# Altium PCB FPGA_Module.PcbDoc (part 5 of 6) (continued)
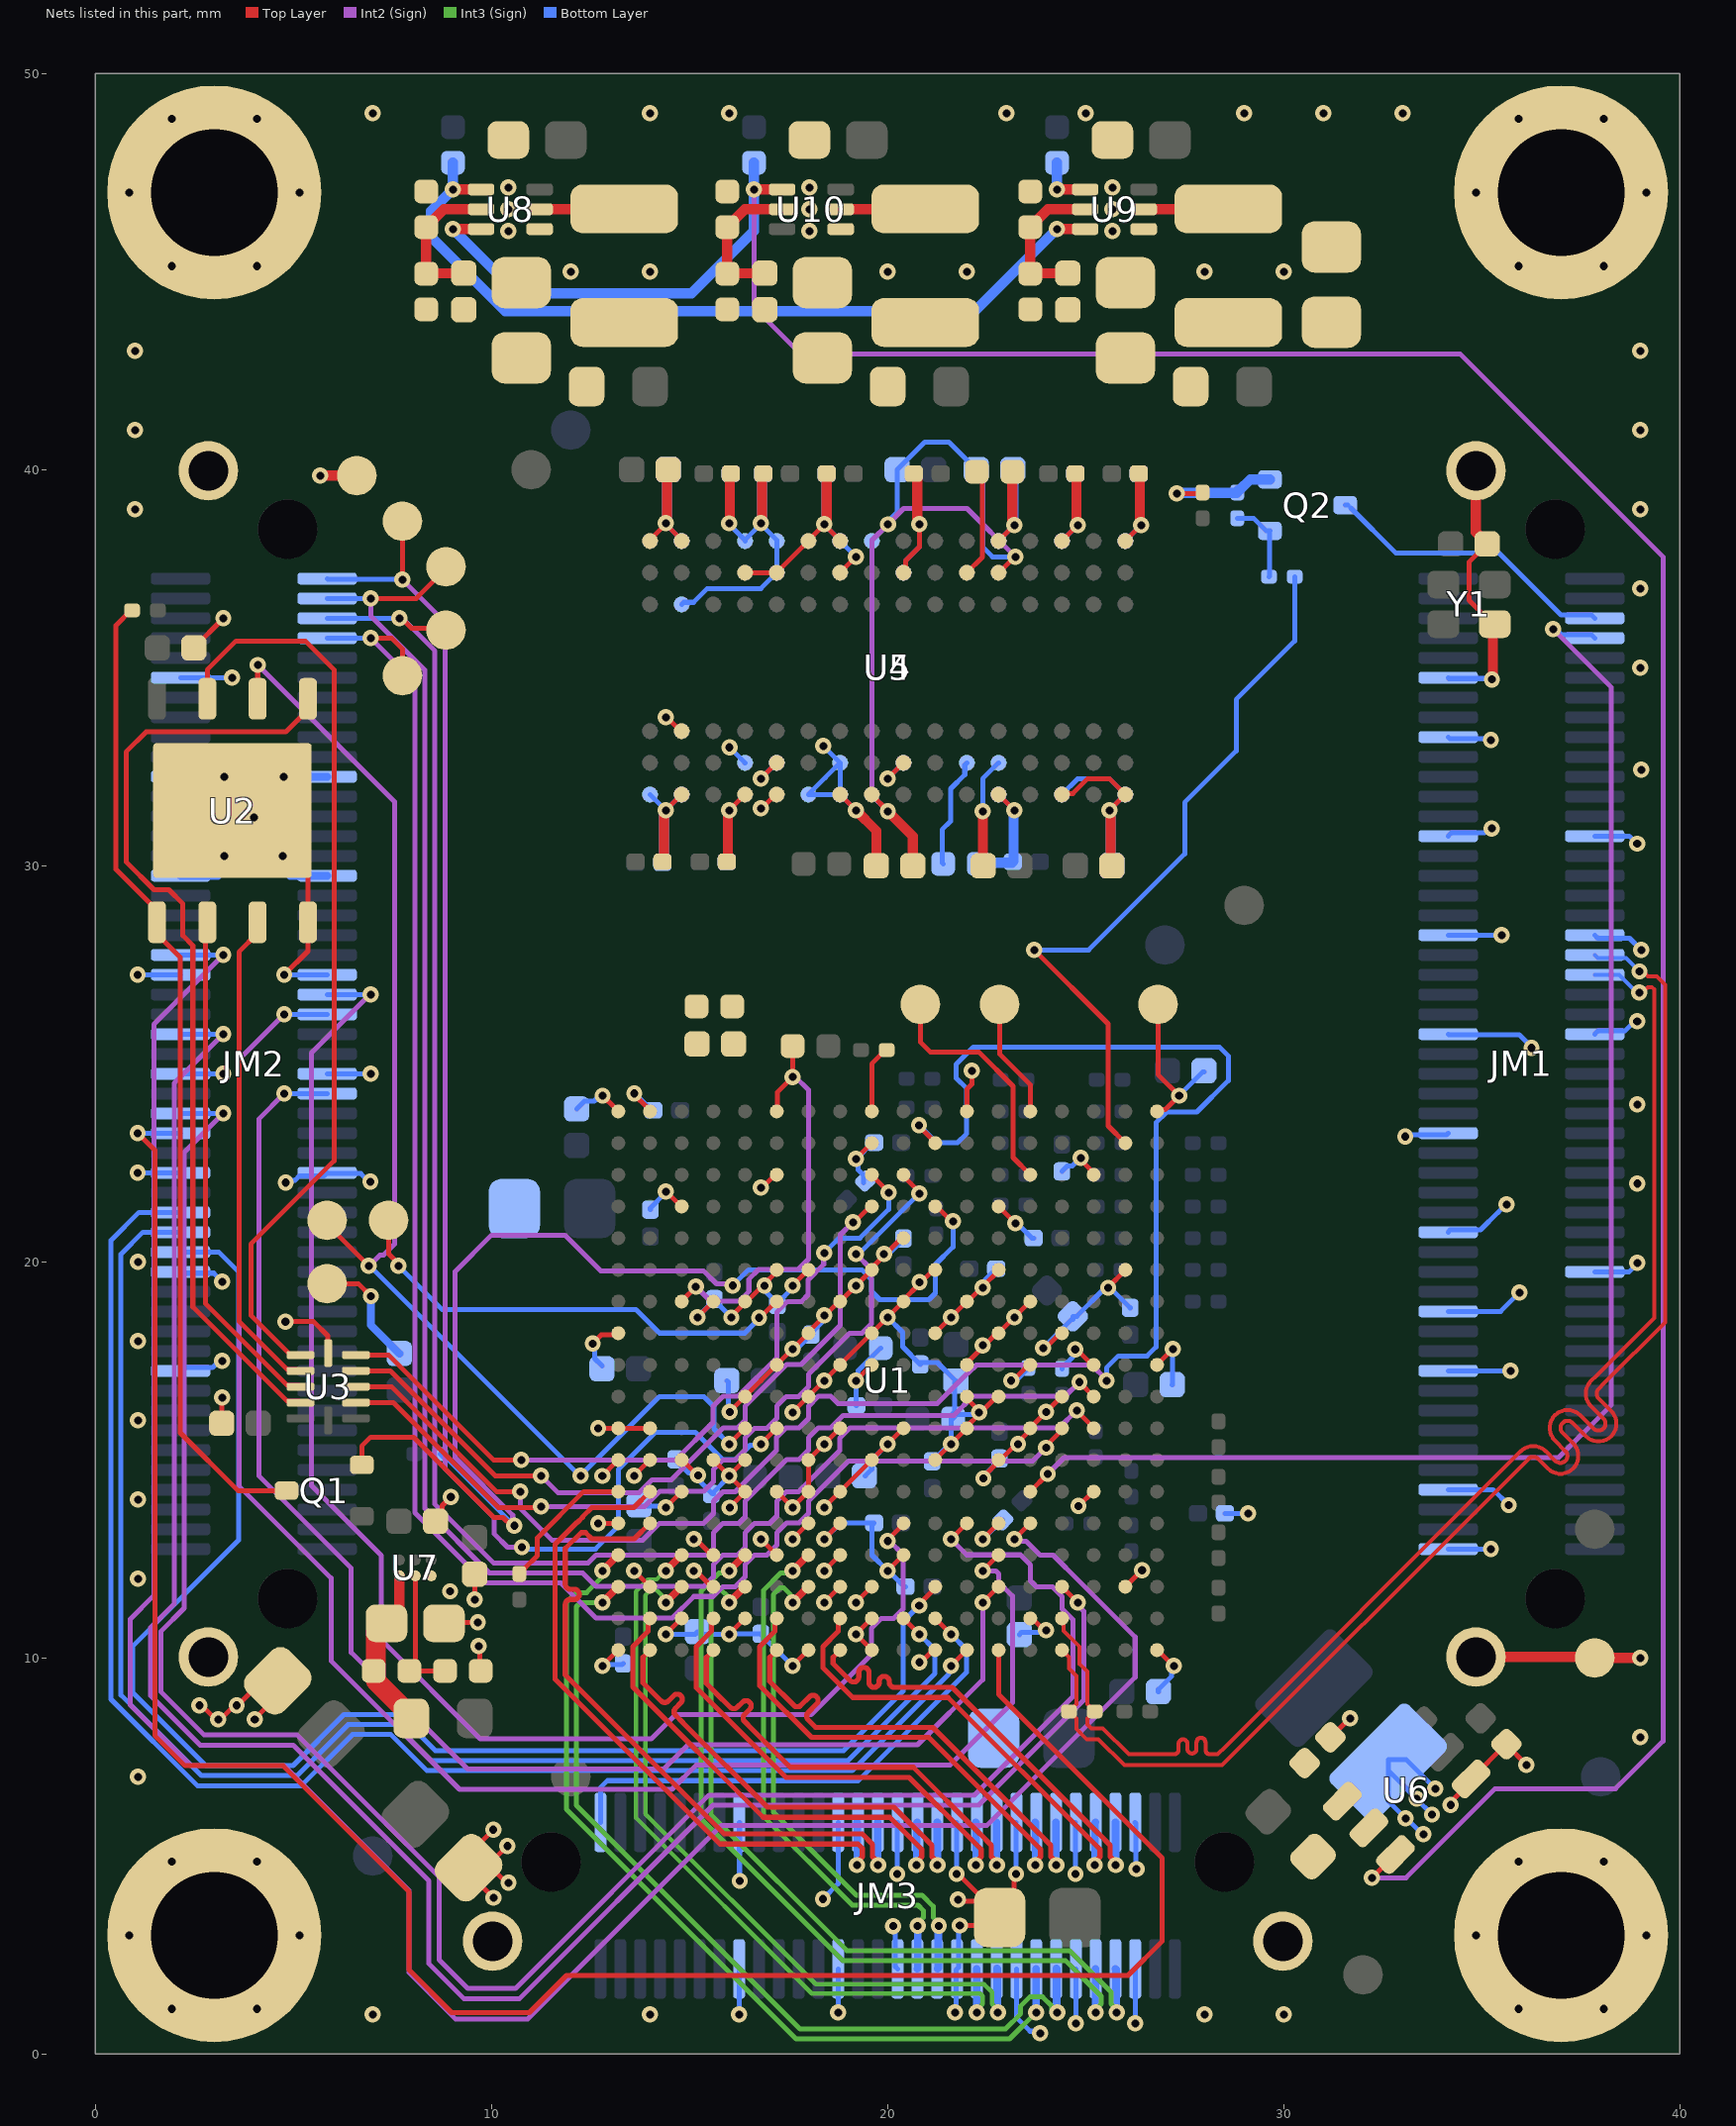
[diagram p9: the nets of this part, all layers, seen from the top]
## Nets (pads, with @x,y where several pads share a name; then routed paths per layer and width w, separated by ;. In a path a pad name is that pad's centre, name@x,y a point inside that pad or via, vN(x,y) a via of type N, cw(c..) or ccw(c..) an arc to the next point about the centre after c; other vN are vias at no path point) (continued)
  Bottom Layer w0.191: v1(19.225,4.77) 19.238,4.782 19.238,5.837 JM3.33@19.225,5.85
MGT_RX0_N: JM3.8 U1.E3 | length 20.5
  Top Layer w0.191: v1(16,11.4) U1.E3@16.4,11.8
  Int3 (Sign) w0.124: v1@16.007,11.407 15.946,11.469 15.946,11.569 15.786,11.728 15.683,11.728 15.543,11.588 15.543,6.04 18.97,2.613 24.592,2.613 25.642,1.563 25.642,1.264 25.783,1.123 v1(25.783,1.05)
  Bottom Layer w0.191: JM3.8@25.75,2.15 25.767,2.133 25.767,1.067 v1(25.783,1.05)
MGT_RX0_P: JM3.10 U1.E4 | length 20.8
  Top Layer w0.191: v1(16,12.2) U1.E4@16.4,12.6
  Int3 (Sign) w0.124: v1(16,12.2) 15.946,12.146 15.746,12.146 15.292,11.692 15.292,5.936 18.866,2.362 24.488,2.362 25.391,1.459 25.391,1.264 25.25,1.123 v1(25.25,1.05)
  Bottom Layer w0.191: v1(25.25,1.05) JM3.10@25.25,2.15
MGT_RX1_N: JM3.14 U1.A3 | length 22.6
  Top Layer w0.191: v1(12.8,11.4) U1.A3@13.2,11.8
  Int3 (Sign) w0.124: v1(12.8,11.4) 12.245,11.4 12.141,11.296 12.141,6.28 17.789,0.632 22.975,0.632 23.358,1.015 23.358,1.212 23.588,1.442 23.912,1.442 24.142,1.212 24.142,1.05 v1(24.283,1.05)
  Bottom Layer w0.191: JM3.14@24.258,2.158 24.267,2.15 24.267,1.067 v1(24.283,1.05)
MGT_RX1_P: JM3.16 U1.A4 | length 22.8
  Top Layer w0.191: v1(12.8,12.2) U1.A4@13.2,12.6
  Int3 (Sign) w0.124: v1(12.8,12.2) 12.8,12.05 12.401,11.651 12.141,11.651 11.89,11.4 11.89,6.176 17.686,0.381 23.079,0.381 v1@23.747,1.05
  Bottom Layer w0.191: v1(23.75,1.05) JM3.16@23.75,2.15
MGT_RX2_N: JM3.20 U1.C3 | length 19.2
  Top Layer w0.191: v1(14.4,11.4) U1.C3@14.8,11.8
  Int3 (Sign) w0.11: v1(14.4,11.4) 14.4,11.48 14.136,11.745 14.045,11.745 13.881,11.581 13.881,6.067 18.184,1.764 22.432,1.764 22.635,1.561 22.635,1.263 22.783,1.114 v1(22.783,1.05)
  Bottom Layer w0.191: JM3.20@22.758,2.158 22.767,2.15 22.767,1.067 v1(22.783,1.05)
MGT_RX2_P: JM3.22 U1.C4 | length 19.4
  Top Layer w0.191: v1(14.4,12.2) U1.C4@14.8,12.6
  Int3 (Sign) w0.11: v1(14.4,12.2) 14.387,12.2 14.169,11.982 13.947,11.982 13.644,11.679 13.644,5.969 18.086,1.528 22.334,1.528 22.398,1.463 22.398,1.263 22.25,1.114 v1(22.25,1.05)
  Bottom Layer w0.191: v1(22.25,1.05) JM3.22@22.25,2.15
MGT_RX3_N: JM3.26 U1.G3 | length 13.5
  Top Layer w0.191: v1(17.6,11.4) U1.G3@18,11.8
  Int3 (Sign) w0.124: v1(17.6,11.4) 17.546,11.454 17.546,11.604 17.382,11.768 17.279,11.768 17.113,11.602 17.113,6.109 19.214,4.008 20.872,4.008 21.15,3.73 21.15,3.451 21.291,3.31 v1(21.291,3.237)
  Bottom Layer w0.191: JM3.26@21.258,2.158 21.279,2.179 21.279,3.221 v1@21.308,3.25
MGT_RX3_P: JM3.28 U1.G4 | length 13.8
  Top Layer w0.191: v1(17.6,12.2) U1.G4@18,12.6
  Int3 (Sign) w0.124: v1(17.6,12.2) 17.546,12.146 17.302,12.146 16.862,11.706 16.862,6.005 19.11,3.757 20.768,3.757 20.899,3.626 20.899,3.451 20.758,3.31 v1(20.758,3.237)
  Bottom Layer w0.191: JM3.28@20.75,2.15 20.763,2.162 20.763,3.238 v1@20.775,3.25
MGT_TX0_N: JM3.7 U1.H1 | length 11.9
  Top Layer w0.13: U1.H1@18.8,10.2 18.8,10.19 18.624,10.014 18.624,9.857 18.947,9.535 19.05,9.432 ccw(c19.142,9.524) 19.272,9.524 19.272,9.633 cw(c19.4,9.633) 19.4,9.761 cw(c19.4,9.633) 19.529,9.633 19.529,9.386 ccw(c19.657,9.386) 19.657,9.258 ccw(c19.657,9.386) 19.786,9.386 19.786,9.408 cw(c19.914,9.408) 19.914,9.536 cw(c19.914,9.408) 20.043,9.408 20.043,9.388 ccw(c20.173,9.388) 20.173,9.258 20.899,9.258 21.631,9.258 25.332,5.557 25.335,5.557 25.62,5.271 25.62,4.983 25.758,4.845 v1(25.758,4.77)
  Bottom Layer w0.191: JM3.7@25.75,5.85 25.754,5.846 25.754,4.774 v1(25.758,4.77)
MGT_TX0_P: JM3.9 U1.H2 | length 11.9
  Top Layer w0.13: U1.H2@18.8,11 18.758,10.958 18.758,10.677 18.367,10.286 18.367,9.751 19.117,9.001 21.525,9.001 25.226,5.3 25.229,5.3 25.363,5.165 25.363,4.983 25.225,4.845 v1(25.225,4.77)
  Bottom Layer w0.191: v1(25.225,4.77) 25.237,4.782 25.237,5.837 JM3.9@25.25,5.85
MGT_TX1_N: JM3.13 U1.F1 | length 12.2
  Top Layer w0.13: U1.F1@17.2,10.2 17.2,10.19 17.024,10.014 17.024,9.745 17.024,9.407 17.626,8.805 ccw(c17.718,8.897) 17.81,8.805 18.026,9.021 cw(c18.117,8.93) 18.208,9.021 cw(c18.117,8.93) 18.208,8.839 17.992,8.623 ccw(c18.084,8.531) 17.992,8.439 18.174,8.258 18.182,8.249 18.257,8.249 21.14,8.249 23.832,5.557 23.835,5.557 24.12,5.271 24.12,4.983 24.258,4.845 v1(24.258,4.77)
  Bottom Layer w0.191: v1@24.25,4.778 JM3.13@24.25,5.85
MGT_TX1_P: JM3.15 U1.F2 | length 12.2
  Top Layer w0.13: U1.F2@17.2,11 17.158,10.958 17.158,10.677 16.767,10.286 16.767,9.301 18.076,7.992 21.034,7.992 23.726,5.3 23.729,5.3 23.863,5.165 23.863,4.983 23.725,4.845 v1(23.725,4.77)
  Bottom Layer w0.191: v1(23.725,4.77) 23.738,4.782 23.738,5.838 JM3.15@23.725,5.85
MGT_TX2_N: JM3.19 U1.D1 | length 12.1
  Top Layer w0.13: U1.D1@15.6,10.2 15.6,10.19 15.424,10.014 15.424,9.357 15.624,9.157 15.67,9.111 16.024,8.757 ccw(c16.116,8.849) 16.208,8.757 16.335,8.885 cw(c16.426,8.794) 16.517,8.885 cw(c16.426,8.794) 16.517,8.703 16.39,8.576 ccw(c16.481,8.484) 16.39,8.392 16.571,8.21 16.617,8.164 17.541,7.241 20.649,7.241 22.332,5.557 22.335,5.557 22.62,5.271 22.62,4.983 22.758,4.845 v1(22.758,4.77)
  Bottom Layer w0.191: v1@22.75,4.778 JM3.19@22.75,5.85
MGT_TX2_P: JM3.21 U1.D2 | length 12.4
  Top Layer w0.13: U1.D2@15.6,11 15.558,10.958 15.558,10.677 15.167,10.286 15.167,9.251 17.434,6.984 20.542,6.984 22.226,5.3 22.229,5.3 22.363,5.165 22.363,4.983 22.225,4.845 v1(22.225,4.77)
  Bottom Layer w0.191: v1(22.225,4.77) 22.237,4.782 22.237,5.837 JM3.21@22.225,5.85
MGT_TX3_N: JM3.25 U1.B1 | length 12.2
  Top Layer w0.13: U1.B1@14,10.2 14,10.19 13.824,10.014 13.824,9.622 13.824,9.373 14.281,8.916 ccw(c14.373,9.008) 14.465,8.916 14.598,9.049 cw(c14.689,8.958) 14.78,9.049 cw(c14.689,8.958) 14.78,8.867 14.647,8.734 ccw(c14.739,8.642) 14.647,8.55 14.829,8.369 14.875,8.323 16.965,6.232 20.157,6.232 20.832,5.557 20.835,5.557 21.12,5.271 21.12,4.983 21.258,4.845 v1(21.258,4.77)
  Bottom Layer w0.191: v1@21.25,4.778 21.254,4.782 21.254,5.846 JM3.25@21.25,5.85
MGT_TX3_P: JM3.27 U1.B2 | length 12.5
  Top Layer w0.13: U1.B2@14,11 13.958,10.958 13.958,10.677 13.567,10.286 13.567,9.267 16.859,5.975 20.051,5.975 20.726,5.3 20.729,5.3 20.863,5.165 20.863,4.983 20.725,4.845 v1(20.725,4.77)
  Bottom Layer w0.191: v1(20.725,4.77) 20.738,4.782 20.738,5.837 JM3.27@20.75,5.85
NetC64_2: C64.2 FB1.1 U1.J10 | length 2.3
  Top Layer w0.127: v1(19.2,17) U1.J10@19.6,17.4
  Bottom Layer w0.127: C64.2@19.21,16.375 19.205,16.38 19.205,16.995 v1(19.2,17) 19.253,17.053 19.253,17.254 FB1.1@19.825,17.825
NetC73_1: C73.1 R46.1 R47.2 U9.5 | length 3.7
  Top Layer w0.254: C73.1@24.55,44.96 24.545,44.955 23.605,44.955 R46.1@23.6,44.95 R47.2@23.6,46.125 24.05,46.575 U9.5@24.985,46.575
NetC73_2: C73.2 C75.2 C76.2 L1.2 R46.2 R53.1
NetC78_2: C78.2 R54.1 U6.1 U6.2
NetC81_1: C81.1 R49.1 R50.2 U10.5 | length 3.7
  Top Layer w0.254: C81.1@16.9,44.96 16.895,44.955 15.955,44.955 R49.1@15.95,44.95 R50.2@15.95,46.125 16.4,46.575 U10.5@17.335,46.575
NetC81_2: C81.2 C82.2 L3.2 R49.2 R55.1
NetC83_2: C83.2 R56.1 R60.2 U7.A1 | length 4.3
  Top Layer w0.127: C83.2@7.35,10.875 C83.2@7.675,11.2
  Top Layer w0.254: C83.2@7.675,11.2 U7.A1@7.675,12.075
  Top Layer w0.5: C83.2@7.35,10.875 7.3,10.875 7.075,10.65 7.075,9.725 R60.2@7.025,9.675 7.075,9.625 7.075,9.425 7.975,8.525 R56.1@7.975,8.475
NetC86_1: C86.1 R51.1 R52.2 U8.5 | length 3.7
  Top Layer w0.254: C86.1@9.3,44.96 9.295,44.955 8.355,44.955 R51.1@8.35,44.95 R52.2@8.35,46.125 8.8,46.575 U8.5@9.735,46.575
NetC86_2: C86.2 C87.2 L2.2 R51.2 R57.1
NetL1_1: L1.1 U9.2 | length 2.1
  Top Layer w0.127: L1.1@28.59,46.575 L1.1@28.6,46.585
  Top Layer w0.254: U9.2@26.465,46.575 L1.1@28.59,46.575
NetL2_1: L2.1 U8.2 | length 2.1
  Top Layer w0.127: L2.1@13.34,46.575 L2.1@13.35,46.585
  Top Layer w0.254: U8.2@11.215,46.575 L2.1@13.34,46.575
NetL3_1: L3.1 U10.2 | length 2.1
  Top Layer w0.127: L3.1@20.94,46.575 L3.1@20.95,46.585
  Top Layer w0.254: U10.2@18.815,46.575 L3.1@20.94,46.575
NetQ2_2: Q2.2 R59.1 R62.2 | length 2.1
  Bottom Layer w0.127: R59.1@28.825,38.775 29.237,38.775 29.559,38.454 Q2.2@29.651,38.454 29.638,38.44 29.638,37.313 R62.2@29.625,37.3
NetR11_2: R11.2 U1.A6 | length 3.6
  Top Layer w0.127: R11.2@10.7,12.125 10.7,12.137 10.824,12.261 10.836,12.261 11.159,12.584 11.159,13.034 12.325,14.2 U1.A6@13.2,14.2
NetR14_1: R14.1 U1.T10 | length 1.3
  Top Layer w0.127: v1(24.736,17.79) 24.773,17.79 U1.T10@25.163,17.4 ; U1.T10@25.163,17.4 U1.T10@25.2,17.4 U1.T10@25.163,17.4
  Bottom Layer w0.127: R14.1@24.4,17.3 24.4,17.325 24.683,17.608 24.683,17.736 v1(24.736,17.79)
NetR15_1: R15.1 U1.P10 | length 1.1
  Top Layer w0.127: v1(23.12,17.002) 23.161,17.002 23.521,17.362 U1.P10@23.562,17.362
  Bottom Layer w0.127: v1(23.12,17.002) 23.174,17.056 23.293,17.056 23.525,17.288 R15.1@23.525,17.3
NetR17_1: R17.1 U4.L8 | length 2.8
  Top Layer w0.127: U4.L8@22,37.4 22.39,37.79 22.39,39.81 R17.1@22.25,39.95
NetR18_1: R18.1 U5.L8 | length 2.8
  Bottom Layer w0.127: R18.1@21.4,30.05 21.375,30.075 21.375,30.912 21.591,31.128 21.591,31.943 21.948,32.3 21.948,32.548 U5.L8@22,32.6
NetR45_1: R45.1 U9.4 | length 1.4
  Top Layer w0.254: v1(24.275,47.075) U9.4@24.985,47.075
  Bottom Layer w0.254: v1(24.275,47.075) R45.1@24.275,47.75
NetR60_1: R60.1 R61.2 U7.B1 | length 3.4
  Top Layer w0.127: U7.B1@8.075,12.075 8.075,9.825 R60.1@7.925,9.675 R61.2@8.825,9.675
NetTP1_1: TP1.1 U1.F12 | length 11.8
  Top Layer w0.127: TP1.1@7.4,21.05 7.4,20.207 7.65,19.957 v1(7.65,19.9) ; v1(16.753,18.588) 16.77,18.588 17.145,18.962 U1.F12@17.162,18.962
  Bottom Layer w0.127: v1(7.65,19.9) 8.75,18.8 13.643,18.8 14.241,18.202 16.392,18.202 16.753,18.563 v1(16.753,18.588)
OSC_OE: JM2.47 U1.N3 | length 37
  Top Layer w0.127: v1(22.4,11.4) U1.N3@22.762,11.762
  Int2 (Sign) w0.127: v1(4.77,24.25) 4.133,23.613 4.133,14.592 6.458,12.267 6.458,10.137 9.404,7.191 14.345,7.191 14.961,7.807 20.757,7.807 22.4,9.45 v1(22.4,11.4)
  Bottom Layer w0.127: v1(4.77,24.25) JM2.47@5.85,24.25
PERST#: JM3.59 U1.L2 | length 13
  Top Layer w0.127: U1.L2@21.238,10.962 v1(21.6,10.6)
  Bottom Layer w0.127: JM3.59@12.75,5.85 12.75,6.725 12.926,6.901 13.949,6.901 19.258,6.901 21.994,9.637 21.994,10.206 v1(21.6,10.6)
PG_1V0: R44.1 U8.4 U9.6 | length 21
  Top Layer w0.254: v1(9.025,47.075) U8.4@9.735,47.075 ; v1(24.275,46.075) U9.6@24.985,46.075
  Bottom Layer w0.254: R44.1@9.025,47.75 v1(9.025,47.075) 8.475,46.525 8.475,45.875 10.35,44 22.2,44 v1(24.275,46.075)
PG_1V8: R48.1 U6.3 U8.6 U10.4 | length 80.1
  Top Layer w0.127: v1(32.225,4.45) 32.229,4.45 32.817,5.038 U6.3@32.82,5.038
  Top Layer w0.254: v1(9.025,46.075) U8.6@9.735,46.075 ; v1(16.625,47.075) U10.4@17.335,47.075
  Int2 (Sign) w0.127: v1(16.625,47.075) 16.625,44.1 17.8,42.925 34.45,42.925 39.575,37.8 39.575,7.9 38.375,6.7 35.335,6.7 33.085,4.45 v1(32.225,4.45)
  Bottom Layer w0.254: v1(9.025,46.075) 10.65,44.45 15.05,44.45 16.625,46.025 v1(16.625,47.075) R48.1@16.625,47.75
PGA_CSn_1: JM2.36 U1.M1 | length 38.4
  Top Layer w0.127: v1(21.6,9.8) U1.M1@21.962,10.162
  Bottom Layer w0.127: JM2.36@2.15,21.25 1.1,21.25 0.392,20.542 0.392,8.958 2.575,6.775 5.2,6.775 6.492,8.067 7.458,8.067 8.37,7.155 19.104,7.155 21.547,9.597 21.547,9.747 v1(21.6,9.8)
PGA_CSn_2: JM2.46 U1.M5 | length 53.5
  Top Layer w0.127: v1(21.6,13) U1.M5@21.962,13.362
  Int2 (Sign) w0.127: v1(3.23,23.75) 2.242,22.762 2.242,11.257 1.65,10.665 1.65,9.15 2.746,8.054 5.096,8.054 8.675,4.475 8.675,2.384 9.405,1.654 10.604,1.654 15.487,6.537 22.194,6.537 24.675,9.018 24.675,10.968 24.406,11.237 24.406,11.55 24.163,11.794 23.837,11.794 23.756,11.794 23.606,11.943 23.606,12.351 23.355,12.602 21.998,12.602 v1(21.6,13)
  Bottom Layer w0.127: JM2.46@2.15,23.75 v1(3.23,23.75)
PGA_CSn_3: JM2.54 U1.R3 | length 52.7
  Top Layer w0.127: U1.R3@24.438,11.762 v1(24.8,11.4)
  Int2 (Sign) w0.127: v1(3.23,25.75) 1.988,24.508 1.988,11.363 1.396,10.771 1.396,9.045 2.641,7.8 4.991,7.8 8.421,4.37 8.421,2.279 9.3,1.4 10.709,1.4 15.592,6.283 22.299,6.283 24.95,8.934 24.95,11.186 24.8,11.336 v1(24.8,11.4)
  Bottom Layer w0.127: JM2.54@2.15,25.75 v1(3.23,25.75)
PGA_CSn_4: JM2.62 U1.P5 | length 60
  Top Layer w0.127: v1(23.2,13) U1.P5@23.562,13.362
  Int2 (Sign) w0.127: v1(3.23,27.75) 1.475,25.995 1.475,11.575 0.883,10.983 0.883,8.808 2.403,7.288 4.762,7.288 7.913,4.137 7.913,2.062 9.087,0.888 10.915,0.888 15.803,5.775 22.509,5.775 26.248,9.513 26.248,10.527 24.85,11.925 24.181,12.594 23.849,12.594 23.497,12.947 23.253,12.947 v1(23.2,13)
  Bottom Layer w0.127: JM2.62@2.15,27.75 v1(3.23,27.75)
PGA_SCLK: JM2.34 U1.K2 | length 37.8
  Top Layer w0.127: U1.K2@20.438,10.962 v1(20.8,10.6)
  Bottom Layer w0.127: JM2.34@2.15,20.75 1.2,20.75 0.646,20.196 0.646,9.063 2.68,7.029 5.095,7.029 6.387,8.321 7.563,8.321 8.475,7.409 18.999,7.409 21.194,9.603 21.194,10.206 v1(20.8,10.6)
PGA_SDIO: JM2.32 U1.L3 | length 38.1
  Top Layer w0.127: v1(20.799,11.319) 20.799,11.359 21.162,11.722 U1.L3@21.162,11.762
  Bottom Layer w0.127: JM2.32@2.15,20.25 3.113,20.25 3.613,19.75 3.613,12.969 0.946,10.302 0.946,9.122 2.785,7.283 4.99,7.283 6.281,8.575 7.669,8.575 8.58,7.663 18.894,7.663 20.394,9.163 20.394,10.918 20.794,11.319 v1(20.799,11.319)
PROBE_COMP: JM2.44 U1.N1 | length 55.8
  Top Layer w0.127: v1(1.07,23.25) 1.5,22.82 1.5,8.041 2.263,7.278 4.738,7.278 7.921,4.095 7.921,2.12 8.995,1.046 10.955,1.046 11.892,1.983 26.065,1.983 26.933,2.852 26.933,4.948 22.8,9.082 U1.N1@22.8,10.2
  Bottom Layer w0.127: v1(1.07,23.25) JM2.44@2.15,23.25
PUDC: R58.1 U1.J18 | length 1.7
  Top Layer w0.127: U1.J18@19.6,23.8 19.6,25 19.95,25.35 R58.1@19.975,25.35
SCL: JM2.57 U1.K5 | length 37.2
  Top Layer w0.127: v1(20.001,12.953) 20.001,12.977 20.362,13.339 U1.K5@20.362,13.362
  Int2 (Sign) w0.127: v1(6.95,26.75) 6.93,26.75 5.454,25.274 5.454,14.349 7.22,12.583 7.22,10.452 9.719,7.953 14.029,7.953 14.645,8.569 18.072,8.569 19.594,10.091 19.594,10.75 19.843,11 20.157,11 20.394,11.237 20.394,12.606 20.047,12.953 v1(20.001,12.953)
  Bottom Layer w0.127: JM2.57@5.85,26.75 v1(6.95,26.75)
SDA: JM2.55 U1.N4 | length 42.6
  Top Layer w0.127: v1(22.4,12.2) U1.N4@22.762,12.562
  Int2 (Sign) w0.127: v1(4.77,26.25) 3.625,25.105 3.625,14.341 5.95,12.016 5.95,9.926 9.193,6.683 14.555,6.683 15.171,7.299 21.579,7.299 23.15,8.87 23.15,11.566 22.806,11.91 22.806,12.126 22.732,12.2 v1(22.4,12.2)
  Bottom Layer w0.127: v1(4.77,26.25) JM2.55@5.85,26.25
SPI_CLK: TP6.1 U1.E8 U2.6 | length 32.8
  Top Layer w0.127: U2.6@4.095,34.215 4.097,34.218 4.097,35.068 v1(4.1,35.07) ; TP6.1@5.9,21 5.9,20.9 v1(6.9,19.9) ; v1(16,15.4) U1.E8@16.362,15.762
  Int2 (Sign) w0.127: v1(4.1,35.07) 7.555,31.615 7.555,20.449 7.276,20.17 7.187,20.17 6.916,19.9 v1(6.9,19.9)
  Bottom Layer w0.127: v1(6.9,19.9) 6.925,19.9 12.225,14.6 v1(12.25,14.6) ; v1@12.25,14.607 14.237,16.594 15.363,16.594 15.619,16.338 15.619,15.781 v1(16,15.4)
SPI_CS: Q1.1 R13.1 U2.1 | length 24.9
  Top Layer w0.127: R13.1@0.925,36.45 0.9,36.45 0.521,36.071 0.521,29.909 1.555,28.875 1.555,28.275 2.139,27.691 2.139,15.686 3.6,14.225 Q1.1@4.825,14.225
SPI_CS_1V35: Q1.3 R12.1 U1.L15 | length 31.4
  Top Layer w0.127: Q1.3@6.725,14.875 6.725,15.35 6.95,15.575 8.032,15.575 10.061,13.546 10.294,13.546 10.499,13.341 v1(10.575,13.341) ; U1.L15@21.2,21.4 21.237,21.4 21.612,21.025 v1(21.65,21.025)
  Int2 (Sign) w0.127: v1(10.575,13.341) 10.536,13.38 10.536,13.605 9.079,15.062 9.079,19.754 10,20.675 11.856,20.675 12.757,19.774 15.351,19.774 15.679,19.446 16.021,19.446 v1@16.074,19.392
  Bottom Layer w0.127: R12.1@8.7,15.15 8.784,15.066 8.85,15.066 v1(10.575,13.341) ; v1(16.088,19.401) 16.487,19.8 19.35,19.8 19.594,19.556 19.594,19.256 19.806,19.044 ; 19.794,19.056 19.806,19.044 ; v1(21.65,21.025) 21.65,20.375 21.206,19.931 21.206,19.206 21.044,19.044 19.806,19.044
SPI_DQ0: U2.5 U3.10 | length 23.9
  Top Layer w0.127: U3.10@5.175,16.45 5.139,16.486 4.839,16.486 2.461,18.864 2.461,27.986 2.209,28.237 2.209,29.041 1.854,29.396 1.479,29.396 0.775,30.1 0.775,32.875 1.278,33.378 4.802,33.378 5.365,33.942 U2.5@5.365,34.215
SPI_DQ0_1V35: U1.K16 U3.2 | length 21.6
  Top Layer w0.127: U3.2@6.575,16.45 7.516,16.45 10.166,13.8 11.225,13.8 v1(11.25,13.825) ; U1.K16@20.4,22.2 20.4,22.163 20.8,21.763 v1(20.8,21.725)
  Int2 (Sign) w0.127: v1(11.25,13.825) 13.868,13.825 14.25,14.206 15.363,14.206 15.606,14.45 15.606,14.763 15.837,14.994 16.15,14.994 16.406,15.25 16.406,15.563 16.637,15.794 16.95,15.794 17.206,16.05 17.206,16.363 17.437,16.594 17.75,16.594 18.006,16.85 18.006,17.163 19.037,18.194 19.35,18.194 19.594,18.437 19.594,19.806 v1(19.2,20.2)
  Bottom Layer w0.127: v1(19.2,20.2) 19.275,20.2 v1(20.8,21.725)
SPI_DQ1: U2.2 U3.9 | length 12.9
  Top Layer w0.127: U2.2@2.825,28.575 2.775,28.525 2.775,18.95 4.839,16.886 5.139,16.886 U3.9@5.175,16.85
SPI_DQ1_1V35: U1.L17 U3.3 | length 45
  Top Layer w0.127: U3.3@6.575,16.85 7.475,16.85 10.125,14.2 v1(10.725,14.2) ; v1(20.794,23.449) 20.794,23.428 21.2,23.021 U1.L17@21.2,23
  Int2 (Sign) w0.127: v1(10.725,14.2) 10.725,13.775 11.525,12.975 13.818,12.975 14.237,13.394 15.35,13.394 15.602,13.645 15.602,13.958 15.84,14.197 16.154,14.197 16.4,14.443 17.194,15.237 17.194,15.569 17.431,15.806 17.763,15.806 18.002,16.045 18.002,16.358 18.25,16.606 18.563,16.606 18.744,16.425 21.256,16.425 22.031,17.2 22.043,17.2 22.239,17.396 25.154,17.396 25.525,17.025 v1(25.525,17)
  Bottom Layer w0.127: v1(20.794,23.449) 21.237,23.006 21.763,23.006 21.995,23.239 21.995,24.374 21.731,24.639 21.731,24.988 22.168,25.425 28.375,25.425 28.6,25.2 28.6,24.575 27.806,23.781 27.039,23.781 26.775,23.517 26.775,21.963 26.775,21.1 26.775,20.35 26.775,17.85 26.55,17.625 25.825,17.625 25.525,17.325 v1(25.525,17)
SPI_DQ2: U2.3 U3.8 | length 12.3
  Top Layer w0.127: U2.3@4.095,28.575 4.095,28.295 3.625,27.825 3.625,18.5 4.839,17.286 5.139,17.286 U3.8@5.175,17.25
SPI_DQ2_1V35: U1.J15 U3.4 | length 18.8
  Top Layer w0.127: U3.4@6.575,17.25 7.441,17.25 10.091,14.6 v1(11.25,14.6) ; v1(19.125,21) 19.163,21 19.525,21.362 U1.J15@19.562,21.362
  Int2 (Sign) w0.127: v1(11.25,14.6) 11.675,14.175 13.732,14.175 14.057,14.5 14.543,14.5 15.85,15.806 16.216,15.806 16.406,15.997 16.406,16.363 17.45,17.406 17.816,17.406 18.806,18.397 18.806,20.681 v1(19.125,21)
SPI_DQ3: U2.7 U3.7 | length 23.4
  Top Layer w0.127: U2.7@2.825,34.215 2.825,34.95 3.55,35.675 5.3,35.675 6.025,34.95 6.025,22.55 3.925,20.45 3.925,18.65 4.889,17.686 4.925,17.65 U3.7@5.175,17.65
SPI_DQ3_1V35: U1.J16 U3.5 | length 19.5
  Top Layer w0.127: U3.5@6.575,17.65 7.4,17.65 10.05,15 v1(10.75,15) ; U1.J16@19.6,22.2 19.6,22.187 20.025,21.763 v1(20.025,21.75)
  Int2 (Sign) w0.127: v1(10.75,15) 14.648,15 15.594,15.946 15.594,16.35 15.85,16.606 ; 15.874,16.606 15.85,16.606 ; v1(18.4,20.225) 18.386,20.211 18.386,19.936 17.994,19.544 17.994,19.169 17.825,19 17.475,19 17.2,18.725 17.2,17.575 16.231,16.606 15.85,16.606
  Bottom Layer w0.127: v1(18.4,20.225) 18.775,20.6 19.3,20.6 20.025,21.325 v1(20.025,21.75)
SYNC: JM1.93 U1.P6 | length 36.9
  Top Layer w0.127: U1.P6@23.6,14.2 v1(24.042,14.644)
  Int2 (Sign) w0.127: v1(24.042,14.644) 24.454,15.056 36.936,15.056 38.271,16.391 38.271,34.504 v1(36.8,35.975)
  Bottom Layer w0.127: v1(36.8,35.975) 36.876,35.975 37.021,35.829 37.771,35.829 JM1.93@37.85,35.75
TCK: JM2.99 TP10.1 U1.F8 | length 38.4
  Top Layer w0.127: v1(7.75,37.225) TP10.1@7.75,38.7 ; v1(16.8,15.4) U1.F8@17.162,15.762
  Int2 (Sign) w0.127: v1(7.75,37.225) 8.825,36.15 8.825,14.775 10.071,13.529 10.071,13.129 10.402,12.798 v1(10.766,12.798)
  Bottom Layer w0.127: JM2.99@5.85,37.25 5.863,37.238 7.737,37.238 v1(7.75,37.225) ; v1(10.766,12.798) 10.814,12.75 12.625,12.75 13.2,13.325 13.2,14.757 14.143,15.7 15.143,15.7 15.837,15.006 16.163,15.006 16.527,15.37 16.77,15.37 v1(16.8,15.4)
TDI: JM2.95 TP8.1 U1.T9 | length 45.8
  Top Layer w0.127: v1(7.675,36.25) 7.732,36.25 7.982,36 TP8.1@8.85,36 ; v1(24.84,16.964) 24.84,16.962 U1.T9@25.2,16.6 U1.T9@25.2,16.6
  Int2 (Sign) w0.127: v1(7.675,36.25) 7.745,36.25 8.571,35.424 8.571,13.879 10.05,12.4 12.443,12.4 12.637,12.594 15.444,12.594 15.606,12.756 15.606,13.163 15.837,13.394 16.244,13.394 16.406,13.556 16.406,13.963 16.637,14.194 17.45,15.006 17.763,15.006 18,15.243 18,15.557 18.25,15.806 18.563,15.806 18.882,16.125 21.675,16.125 22.156,16.606 24.482,16.606 v1(24.84,16.964)
  Bottom Layer w0.127: JM2.95@5.85,36.25 v1(7.675,36.25)
TDO: JM2.97 TP9.1 U1.T8 | length 47.4
  Top Layer w0.127: v1(6.95,36.75) 8.1,36.75 TP9.1@8.85,37.5 ; v1(24.775,16.25) 24.775,16.238 25.2,15.813 U1.T8@25.2,15.8
  Int2 (Sign) w0.127: v1(6.95,36.75) 6.95,36.307 7.113,36.144 8.317,34.94 8.317,13.774 9.945,12.146 12.297,12.146 12.637,11.806 15.363,11.806 15.606,12.05 15.606,12.363 15.837,12.594 16.219,12.594 16.406,12.781 16.406,13.163 16.637,13.394 17.019,13.394 17.206,13.581 17.206,13.963 17.437,14.194 17.75,14.194 18.794,15.237 18.794,15.551 19.05,15.806 24.331,15.806 v1(24.775,16.25)
  Bottom Layer w0.127: JM2.97@5.85,36.75 v1(6.95,36.75)
TEST_1: TP3.1 U1.P16 | length 6.2
  Top Layer w0.127: TP3.1@20.825,26.5 20.825,25.55 21.075,25.3 22.3,25.3 23.165,24.435 23.165,22.635 U1.P16@23.6,22.2
TEST_2: TP2.1 U1.P18 | length 3
  Top Layer w0.127: TP2.1@22.825,26.5 22.825,25.25 23.6,24.475 U1.P18@23.6,23.8
TMS: JM2.93 TP11.1 U1.R8 | length 45.2
  Top Layer w0.127: v1(6.95,35.75) 7.475,35.75 7.75,35.475 TP11.1@7.75,34.8 ; v1(24,15.309) 24,15.354 24.362,15.717 U1.R8@24.362,15.762
  Int2 (Sign) w0.127: v1(6.95,35.75) 8.063,34.637 8.063,13.669 9.84,11.892 11.751,11.892 12.637,11.006 14.563,11.006 15.109,11.552 15.596,11.552 15.837,11.794 16.15,11.794 16.406,12.05 16.406,12.363 16.637,12.594 16.95,12.594 17.2,12.843 17.2,13.157 17.45,13.406 17.763,13.406 18,13.643 18,13.957 19.018,14.975 23.666,14.975 v1(24,15.309)
  Bottom Layer w0.127: JM2.93@5.85,35.75 v1(6.95,35.75)
VTTREF: C4.2 C5.1 C16.2 C17.1 C28.2 R27.1 R35.2 U1.C12 U1.F18 U4.H1 U4.M8 U5.H1 U5.M8 | length 35.4
  Top Layer w0.127: U1.C12@14.838,19.038 14.838,19.046 15.159,19.367 v1(15.159,19.375) ; U1.F18@17.2,23.8 17.213,23.813 17.213,24.28 17.583,24.65 17.6,24.65 R27.1@17.6,25.45 ; U4.H1@19.6,31.8 19.6,31.791 20.006,31.384 v1(20.006,31.375) ; v1(22.4,31.375) v1@22.408,31.367 ; C17.1@22.408,30.008 C17.1@22.415,30 ; U4.M8@22.8,37.4 22.813,37.4 23.213,37.8 v1(23.225,37.8)
  Top Layer w0.254: v1(20.006,31.375) 20.635,30.746 C16.2@20.635,30 ; C17.1@22.408,30.008 v1@22.408,31.367
  Int2 (Sign) w0.127: v1@15.164,19.369 15.527,19.006 16.25,19.006 16.498,19.254 16.498,19.563 16.744,19.809 17.741,19.809 18.003,20.071 18.003,21.233 18,21.236 18,24.343 17.676,24.667 v1(17.6,24.667) ; v1(20.006,31.375) 19.606,31.775 19.606,35.187 19.606,38.219 v1(20.008,38.621) 20.406,39.019 22.006,39.019 v1(23.225,37.8)
  Bottom Layer w0.127: U5.H1@19.6,38.2 19.6,38.207 20.008,38.615 v1(20.008,38.621) 20.008,38.697 20.24,38.929 C5.1@20.24,40 20.94,40.7 21.54,40.7 22.409,39.83 22.409,38.038 22.648,37.8 v1(23.225,37.8) ; v1(22.4,31.375) 22.4,32.2 U5.M8@22.8,32.6
pads on no net: FID1.1 FID2.1 FID3.1 FID4.1 FID5.1 FID6.1 FID7.1 FID8.1 JM1. JM1.4 JM1.6 JM1.7 JM1.9 JM1.10 JM1.11 JM1.12 JM1.14 JM1.16 JM1.17 JM1.18 JM1.19 JM1.21 JM1.22 JM1.23 JM1.24 JM1.25 JM1.27 JM1.28 JM1.30 JM1.31 JM1.32 JM1.33 JM1.35 JM1.36 JM1.37 JM1.38 JM1.39 JM1.40 JM1.41 JM1.42 JM1.43 JM1.45 JM1.46 JM1.47 JM1.48 JM1.49 JM1.50 JM1.51 JM1.52 JM1.55 JM1.57 JM1.65 JM1.67 JM1.69 JM1.71 JM1.76 JM1.78 JM1.79 JM1.81 JM1.83 JM1.85 JM1.87 JM1.89 JM1.91 JM1.92 JM1.97 JM1.99 JM2. JM2.1 JM2.2 JM2.3 JM2.4 JM2.5 JM2.6 JM2.7 JM2.8 JM2.9 JM2.10 JM2.11 JM2.12 JM2.13 JM2.14 JM2.15 JM2.16 JM2.17 JM2.18 JM2.19 JM2.21 JM2.22 JM2.23 JM2.24 JM2.25 JM2.26 JM2.27 JM2.28 JM2.29 JM2.31 JM2.33 JM2.35 JM2.37 JM2.68 JM2.71 JM2.72 JM2.73 JM2.74 JM2.75 JM2.76 JM2.77 JM2.78 JM2.81 JM2.82 JM2.83 JM2.84 JM2.85 JM2.86 JM2.87 JM2.88 JM2.89 JM2.92 JM2.94 JM2.96 JM2.98 JM2.100 JM3. JM3.1 JM3.2 JM3.3 JM3.4 JM3.32 JM3.34 JM3.37 JM3.38 JM3.39 JM3.40 JM3.41 JM3.42 JM3.43 JM3.44 JM3.47 JM3.48 JM3.49 JM3.50 JM3.51 JM3.52 JM3.53 JM3.54 JM3.55 JM3.56 JM3.57 JM3.58 JM3.60 U1.D5 U1.D6 U1.D10 U1.E13 U1.E15 U1.H14 U1.J14 U1.L14 U1.M14 U1.N14 U1.N16 U1.P14 U1.P15 U1.R13 U1.R15 U1.R16 U1.R17 U1.U10 U1.U12 U1.U14 U1.U15 U1.U16 U4.J1 U4.J9 U4.L1 U4.L9 U4.M7 U4.T3 U4.T7 U5.J1 U5.J9 U5.L1 U5.L9 U5.M7 U5.T3 U5.T7 U10.6

## Polygon pours and split planes (outlines as drawn)
1V35 on Int3 (Sign) "GND_L01" (solid, remove dead copper, pour order 3): 12.95,40.3 15.925,40.3 15.925,42.875 27.5,42.875 27.5,40.375 27.5,15.85 25.45,15.85 24.65,16.437 24.65,18.718 22.918,20.45 17.037,20.45 14.825,18.238 14.825,16.975 14.025,16.175 10.6,16.175 8.075,13.65 7.075,13.65 5.9,14.825 5.9,33.25
1V0 on Int3 (Sign) "GND_L01" (solid, remove dead copper, pour order 5): 27.5,41.25 27.5,15.85 25.175,15.85 24.4,16.625 23.45,16.625 23.45,18.017 22.592,18.875 18.675,18.875 17.875,18.075 16.525,18.075 16.525,14.1 17.425,14.1 17.425,0.3 37,0.3 37,36.75 30.875,42.875 27.5,42.875
+3V3_IN on Int3 (Sign) "GND_L01" (solid, remove dead copper, pour order 0): 33.325,5.55 39.7,5.55 39.7,49.7 0.3,49.7 0.3,43.104 30.818,42.957 33.325,40.45
+3V3 on Int3 (Sign) "GND_L01" (solid, remove dead copper, pour order 4): 28.65,5.875 30,7.225 30,14.425 23.525,14.425 23.525,14.875 22.875,14.875 22.875,14.075 20.225,14.075 20.225,9.475 23.825,5.875
1V8 on Int3 (Sign) "GND_L01" (solid, remove dead copper, pour order 1): 16.45,39.9 12.55,39.9 5.825,33.175 5.825,14.8 6.9,13.725 8.15,13.725 10.6,16.175 14.025,16.175 15.2,17.35 15.2,18.613 17.037,20.45 22.918,20.45 24.65,18.718 24.65,16.625 23.45,16.625 23.45,17.95 22.525,18.875 18.675,18.875 17.875,18.075 16.675,18.075 16.525,17.925 16.525,14.075 13.875,14.075 11.3,11.5 11.3,5.55 16.55,0.3 0.3,0.3 0.3,42.875 16.45,42.875
1V0_MGT on Int3 (Sign) "GND_L01" (solid, remove dead copper, pour order 7): 12.225,12.425 17.425,12.425 17.425,14.1 17.4,14.075 13.875,14.075
GND on Bottom Layer "GND_L01" (solid, remove dead copper, pour order 36): 20.075,4.543 20.075,9.075 21.9,10.9 27.45,10.9 27.45,4.524
GND on Bottom Layer "GND_L01" (solid, remove dead copper, pour order 34): 32.298,9.827 30.25,7.778 30.25,7.775 33.325,4.7 35.375,6.75
GND on Bottom Layer "GND_L01" (solid, remove dead copper, pour order 35): 7.325,27.425 5.125,27.425 5.125,20.6 11.2,20.6 11.225,20.575 11.225,23.525 12.45,23.525 13.025,24.1 13.025,24.475 10.275,24.475
1V0 on Bottom Layer "1V0_L01" (solid, remove dead copper, pour order 33): 31.68,11.945 33.55,10.075 30.75,7.275 28.88,9.145
GND on Top Layer "GND_L01" (solid, remove dead copper, pour order 22): 15.525,26.75 15.525,24.475 13.875,24.475 13.875,24 12.6,24 12.6,24.5 14.85,26.75
GND on Top Layer "GND_L01_P-001" (solid, pour order 48): 7.9,43.775 7.9,49.45 32.15,49.45 32.15,43.775
NetC78_2 on Top Layer "NetC78_2_L01" (solid, remove dead copper, pour order 30): 29.85,7.175 30.625,7.95 32.725,5.85 30.75,3.875 29.387,5.237 30.587,6.437
+3V3_IN on Top Layer "+3V3_IN_L01" (solid, remove dead copper, pour order 32): 32.575,8.175 33.813,9.412 34.7,8.525 35.837,9.662 36.575,8.925 34.2,6.55
GND on Top Layer "GND_L01" (solid, remove dead copper, pour order 31): 30.7,8.025 34.037,4.687 36.688,7.338 35.575,8.45 33.937,6.812 31.712,9.037
GND on Top Layer "GND_L01" (solid, remove dead copper, pour order 19): 8.225,12.275 10.025,12.275 10.025,9.375 8.225,9.375
NetC73_2 on Top Layer "NetC73_2_L01_P-001" (solid, pour order 47): 32.15,42.85 32.15,44.375 26.95,44.375 26.95,43.775 25.05,43.775 25.05,44.375 23.15,44.375 23.15,41.5 28.45,41.5 28.45,42.85
NetC81_2 on Top Layer "NetC81_2_L01_P-001" (solid, pour order 46): 22.675,42.85 22.675,44.375 19.3,44.375 19.3,43.775 17.4,43.775 17.4,44.375 15.5,44.375 15.5,41.5 20.8,41.5 20.8,42.85
NetC86_2 on Top Layer "NetC86_2_L01_P-001" (solid, pour order 45): 15.075,42.85 15.075,44.375 11.7,44.375 11.7,43.775 9.8,43.775 9.8,44.375 7.9,44.375 7.9,41.5 13.2,41.5 13.2,42.85
+3V3_IN on Top Layer "3V3_IN_L01_P-001" (solid, pour order 44): 26.525,47.775 28.35,47.775 28.35,49.45 26.525,49.45
+3V3_IN on Top Layer "3V3_IN_L01_P-001" (solid, pour order 43): 18.875,47.775 20.7,47.775 20.7,49.45 18.875,49.45
+3V3_IN on Top Layer "3V3_IN_L01_P-001" (solid, pour order 42): 11.275,47.775 13.1,47.775 13.1,49.45 11.275,49.45
1V0 on Top Layer "1V0_L01_P-001" (solid, pour order 41): 28.65,42.65 30.325,42.65 30.325,40.975 28.65,40.975
1V35 on Top Layer "1V35_L01_P-001" (solid, pour order 40): 21,42.65 22.675,42.65 22.675,40.975 21,40.975
1V8 on Top Layer "1V8_L01_P-001" (solid, pour order 39): 13.4,42.65 15.075,42.65 15.075,40.975 13.4,40.975